# Altium PCB MCU063B_PCB.PcbDoc (part 1 of 9) (continued)
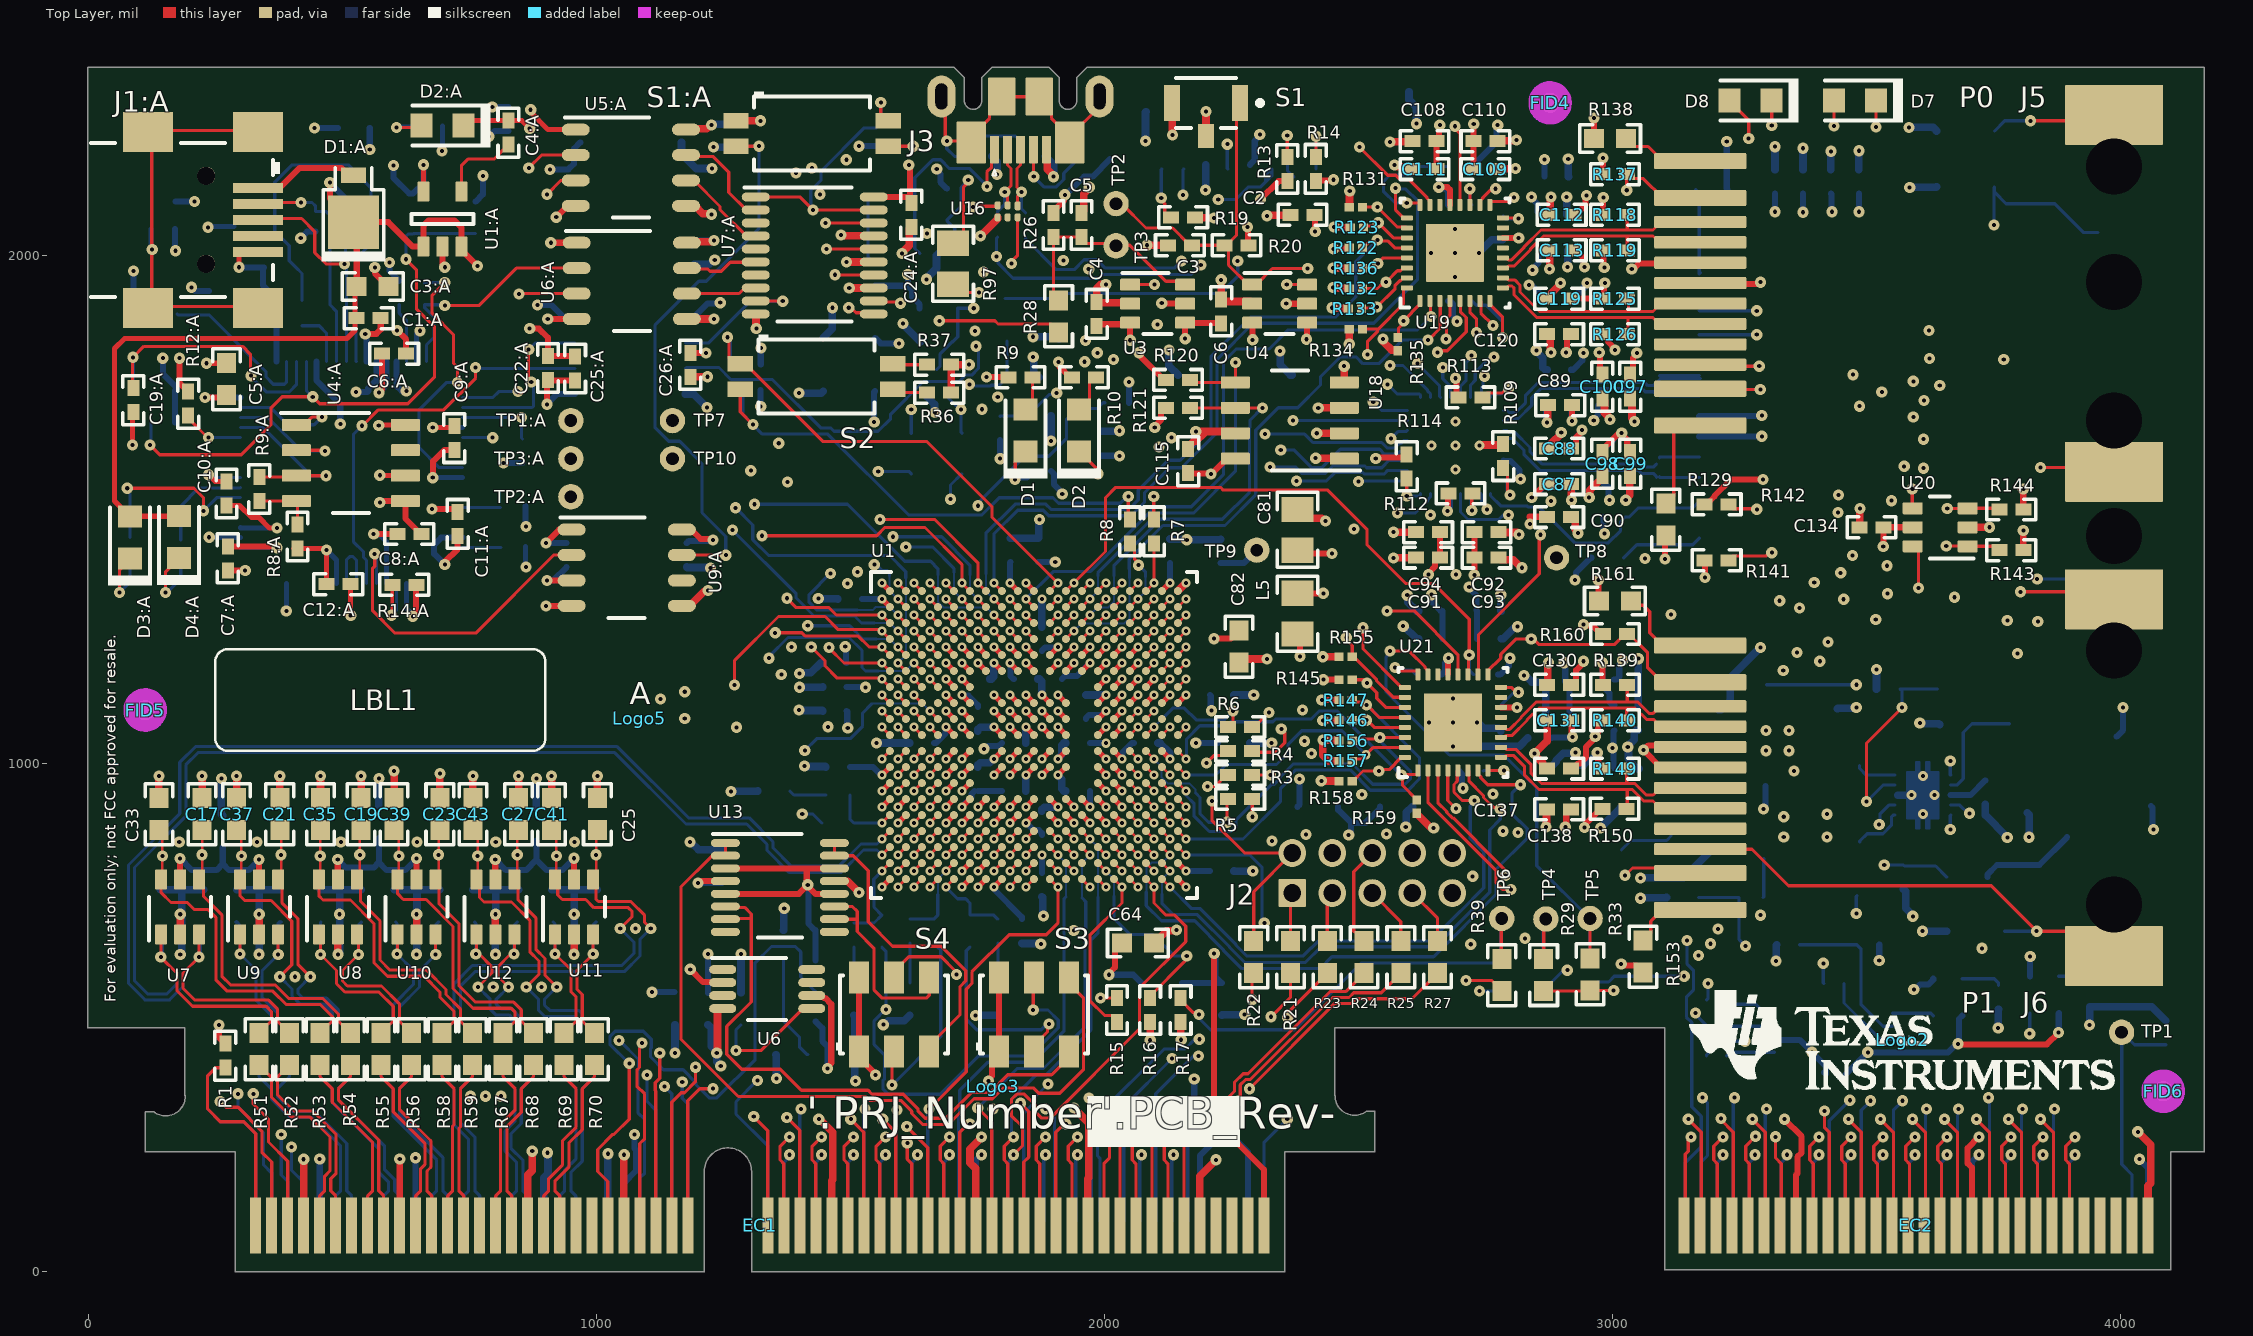
[diagram p0: Top Layer view]
## Components (designator, comment, footprint, x,y, rotation, side; value= is the part's Value field where it differs from the comment) (continued)
C54 "0402YC104KAT2A" 0402 1640.95,1040.35 r180 bottom value=0.1uF
C55 "0402YC104KAT2A" 0402 1963.78,1111.22 r90 bottom value=0.1uF
C56 "0402YC104KAT2A" 0402L 1877.17,882.87 r90 bottom value=0.1uF
C57 "0402YC104KAT2A" 0402 1948.03,945.86 r180 bottom value=0.1uF
C58 "0402YC104KAT2A" 0402 1798.43,1166.34 r180 bottom value=0.1uF
C59 "0402YC104KAT2A" 0402 1877.17,1245.08 r90 bottom value=0.1uF
C60 "0402YC104KAT2A" 0402 1948.03,1040.35 r180 bottom value=0.1uF
C61 "0402YC104KAT2A" 0402 1751.18,969.49 r90 bottom value=0.1uF
C62 "0402YC104KAT2A" 0402L 1822.05,945.86 r0 bottom value=0.1uF
C63 "C0603C225K8PACTU" 0603 2231.5,536.41 r90 bottom value=2.2uF
C64 "C0603C225K8PACTU" 0603 2066.14,646.65 r180 top value=2.2uF
C65 "0402YC104KAT2A" 0402 1475.59,993.11 r180 bottom value=0.1uF
C66 "0402YC104KAT2A" 0402 1837.8,670.27 r270 bottom value=0.1uF
C67 "0402YC104KAT2A" 0402 2231.5,788.38 r0 bottom value=0.1uF
C68 "0402YC104KAT2A" 0402 2081.89,1040.35 r0 bottom value=0.1uF
C69 "0402YC104KAT2A" 0402 1877.17,761.38 r270 bottom value=0.1uF
C70 "0402YC104KAT2A" 0402 1815.01,1420 r90 bottom value=0.1uF
C71 "0402YC104KAT2A" 0402 1499.21,1323.82 r180 bottom value=0.1uF
C72 "0402YC104KAT2A" 0402 2129.14,1418 r90 bottom value=0.1uF
C73 "0402YC104KAT2A" 0402 1751.18,1087.6 r270 bottom value=0.1uF
C74 "0402YC104KAT2A" 0402 1469.21,1197.83 r180 bottom value=0.1uF
C75 "0402YC104KAT2A" 0402 1892.92,1166.34 r180 bottom value=0.1uF
C76 "0402YC104KAT2A" 0402 1870.01,1420 r90 bottom value=0.1uF
C77 "0402YC104KAT2A" 0402 2231.5,1134.84 r0 bottom value=0.1uF
C78 "0402YC104KAT2A" 0402 1469.21,1150.59 r180 bottom value=0.1uF
C79 "0402YC104KAT2A" 0402 1822.05,1040.35 r0 bottom value=0.1uF
C80 "0402YC104KAT2A" 0402 1469.21,1103.34 r180 bottom value=0.1uF
C81 "C0805C106K8PACTU" 0805_HV 2380.01,1460 r270 top value=10uF
C82 "GRM188R61A106ME69D" 0603 2265,1230 r270 top value=10uF
C83 "C0603C475K9PACTU" 0603 1840.01,1760 r0 bottom value=4.7uF
C84 "293D104X9035A2TE3" 3216-18 1497.61,1837.8 r180 bottom value=0.1uF
C85 "TLJA686M010R1500" 3216-18 1497.61,1732.8 r180 bottom value=68uF
C86 "CGA2B2X7R1H332K050BA" 0402 1860,2195 r180 bottom value=3300pF
C87 "CL05A106MQ5NUNC" 0402 2895.01,1550 r0 top value=10uF
C88 "EMK105BJ105KVHF" 0402 2895.01,1620 r180 top value=1uF
C89 "LMK105BJ104KV-F" 0402 2897.21,1705.31 r180 top value=0.1uF
C90 "885012205031" 0402 2895.01,1485 r0 top value=0.01uF
C91 "885012205031" 0402 2637.21,1405.31 r180 top value=0.01uF
C92 "LMK105BJ104KV-F" 0402 2752.21,1455.31 r0 top value=0.1uF
C93 "EMK105BJ105KVHF" 0402 2752.21,1405.31 r0 top value=1uF
C94 "CL05A106MQ5NUNC" 0402 2637.21,1455.31 r180 top value=10uF
C95 "LMK105BJ104KV-F" 0402 2895.01,1620 r180 bottom value=0.1uF
C96 "EMK105BJ105KVHF" 0402 2896.39,1550 r0 bottom value=1uF
C97 "EMK105BJ105KVHF" 0402 3035.01,1741.65 r90 top value=1uF
C98 "LMK105BJ104KV-F" 0402 2980.01,1590 r90 top value=0.1uF
C99 "EMK105BJ105KVHF" 0402 3035.01,1590 r90 top value=1uF
C100 "LMK105BJ104KV-F" 0402 2980.01,1741.65 r90 top value=0.1uF
C101 "LMK105BJ104KV-F" 0402 2895.01,1775 r180 bottom value=0.1uF
C102 "EMK105BJ105KVHF" 0402 2895.01,1710 r180 bottom value=1uF
C103 "12061C472KAT2A" 1206 3695.01,2135 r0 bottom value=4700pF
C104 "CL05A106MQ5NUNC" 0402 2886.21,2080 r0 bottom value=10uF
C105 "EMK105BJ105KVHF" 0402 2888.2,2010 r0 bottom value=1uF
C106 "LMK105BJ104KV-F" 0402 2890.01,2155 r0 bottom value=0.1uF
C107 "885012205031" 0402 2895.01,1915 r0 bottom value=0.01uF
C108 "885012205031" 0402 2630.01,2225 r180 top value=0.01uF
C109 "LMK105BJ104KV-F" 0402 2750.01,2170 r0 top value=0.1uF
C110 "EMK105BJ105KVHF" 0402 2750.01,2225 r0 top value=1uF
C111 "CL05A106MQ5NUNC" 0402 2630.01,2170 r180 top value=10uF
C112 "LMK105BJ104KV-F" 0402 2900.01,2080 r180 top value=0.1uF
C113 "EMK105BJ105KVHF" 0402 2900.01,2010 r180 top value=1uF
C114 "EMK105BJ105KVHF" 0402 3320.01,2145 r270 bottom value=1uF
C115 "CL05B104KP5NNNC" 0402 2165.01,1595 r90 top value=0.1uF
C116 "LMK105BJ104KV-F" 0402 3375.01,2145 r270 bottom value=0.1uF
C117 "EMK105BJ105KVHF" 0402 3430.01,2145 r270 bottom value=1uF
C118 "LMK105BJ104KV-F" 0402 3485.01,2145 r270 bottom value=0.1uF
C119 "LMK105BJ104KV-F" 0402 2895.01,1915 r180 top value=0.1uF
C120 "EMK105BJ105KVHF" 0402 2895.01,1845 r180 top value=1uF
C121 "12061C472KAT2A" 1206 3695.01,2245 r0 bottom value=4700pF
C122 "CL05A106MQ5NUNC" 0402 2895.21,989.31 r180 bottom value=10uF
C123 "EMK105BJ105KVHF" 0402 2857.21,1050.31 r180 bottom value=1uF
C124 "LMK105BJ104KV-F" 0402 2892.21,1100.31 r180 bottom value=0.1uF
C125 "885012205031" 0402 2892.21,1155.31 r180 bottom value=0.01uF
C126 "885012205031" 0402 2642.21,1300.31 r180 bottom value=0.01uF
C127 "LMK105BJ104KV-F" 0402 2757.21,1300.31 r0 bottom value=0.1uF
C128 "EMK105BJ105KVHF" 0402 2757.21,1245.31 r0 bottom value=1uF
C129 "CL05A106MQ5NUNC" 0402 2642.21,1245.31 r180 bottom value=10uF
C130 "LMK105BJ104KV-F" 0402 2895.01,1155 r180 top value=0.1uF
C131 "EMK105BJ105KVHF" 0402 2895.01,1085 r180 top value=1uF
C132 "EMK105BJ105KVHF" 0402 3027.21,1115.31 r180 bottom value=1uF
C133 "LMK105BJ104KV-F" 0402 3027.21,1065.31 r180 bottom value=0.1uF
C134 "CL05B104KP5NNNC" 0402 3510.01,1465 r180 top value=0.1uF
C135 "EMK105BJ105KVHF" 0402 3028.63,990 r180 bottom value=1uF
C136 "LMK105BJ104KV-F" 0402 3027.21,1165.31 r180 bottom value=0.1uF
C137 "LMK105BJ104KV-F" 0402 2895.01,990 r180 top value=0.1uF
C138 "EMK105BJ105KVHF" 0402 2895.01,910 r180 top value=1uF
C139 "12061C472KAT2A" 1206 3715.01,670 r0 bottom value=4700pF
D1 "150080SS75000" WL-SMCW_RED_0805 1845.01,1655 r90 top value=Red
D1:A "MBRM110ET1G" POWERMITE 522.16,2111.61 r90 top value=10V
D2 "150080SS75000" WL-SMCW_RED_0805 1950.01,1655 r90 top value=Red
D2:A "150080VS75000" WL-SMCW_Green_0805 697.54,2255.33 r180 top value="Bright Green"
D3 "MBRM110ET1G" POWERMITE 4013.71,916.38 r0 bottom value=10V
D3:A "150080BS75000" WL-SMCW_Blue_0805 82.16,1445.23 r90 top value=Blue
D4 "CFSH05-20L TR" SOD-882L 3301.11,971.38 r90 bottom value=20V
D4:A "150080BS75000" WL-SMCW_Blue_0805 178.95,1445.4 r90 top value=Blue
D5 "150080VS75000" WL-SMCW_Green_0805 3017.92,871.38 r270 bottom value="Bright Green"
D6 "MBRM110ET1G" POWERMITE 1581,2117 r0 bottom value=10V
D7 "150080SS75000" WL-SMCW_RED_0805 3477.21,2305.31 r180 top value=Red
D8 "150080VS75000" WL-SMCW_Green_0805 3272.21,2305.31 r180 top value="Bright Green"
EC1 "controlCARD-120HSEC_Edge" controlCARD-120HSEC_Edge 1258.86,-3.49 r0 top locked
EC2 "controlCARD-180HSEC-60pinAddon_Edge" controlCARD-180HSEC-60pinAddon_Edge 3597.35,-3.49 r0 top locked
FID1 "Fiducial" Fiducial10-20 112.21,1105.31 r180 bottom
FID2 "Fiducial" Fiducial10-20 2877.21,2300.31 r180 bottom
FID3 "Fiducial" Fiducial10-20 4084,355 r180 bottom
FID4 "Fiducial" Fiducial10-20 2877.21,2300.31 r90 top
FID5 "Fiducial" Fiducial10-20 112.21,1105.31 r90 top
FID6 "Fiducial" Fiducial10-20 4084,355 r90 top
J1 "2908-05WB-MG" 3M_2908-05WB-MG 2416.26,2170.31 r180 bottom
J1:A "65100516121" Wurth_65100516121 0.01,2070 r270 top
J2 "TMM-105-01-T-D" FP-TMM-105-01-T-D_HDR10-MFG 2527.36,784.47 r0 top
J3 "1051640001" Molex_1051640001 1835,2370 r180 top
J4 "7498010210A" Wurth_7498010210A 3987.4,1697.72 r0 bottom
J5 "7498010210A" Wurth_7498010210A 3987.4,1925.4 r0 top
J6 "7498010210A" Wurth_7498010210A 3987.4,972.12 r0 top
L1 "PFL3215-222MEB" PFL3215 3432.92,846.11 r180 bottom value=2.2uH
L1:A "HZ0805E601R-10" 0805_HV 639.53,2082.06 r90 bottom value="600 ohm"
L2 "78438323033" WE-MAIA_2510 3447.92,996.16 r180 bottom value=3.3uH
L2:A "HZ0805E601R-10" 0805_HV 327.16,2056.61 r180 bottom value="600 ohm"
L3 "BKP2125HS600-T" 0805_HV 2420.01,915 r180 bottom value="60 ohm"
L4 "BKP2125HS600-T" 0805_HV 2113.39,567.91 r180 bottom value="60 ohm"
L5 "BLM21PG221SN1D" 0805_HV 2380.01,1295 r270 top value="220 ohm"
LBL1 "THT-14-423-10" Label_650x200 575,1125 r0 top
Logo1 "CE Mark" CE_Mark_5mm 469.21,1152.31 r180 bottom
Logo2 "Texas Instruments" TI_Stacked_Overlay_Small 3570,456 r0 top
Logo3 "FCC disclaimer" FCC_disclaimer 1780.01,365 r0 top
Logo4 "WEEE logo" WEEE_Minimum 763.21,1193.31 r180 bottom
Logo5 "ETHERCAT LABEL" EtherCAT_label 1084.2,1089.5 r0 top
Q1 "NTA7002NT1G" SOT-416 1670,1749 r90 bottom value=30V
R1 "CRCW04024K70JNED" 0402 270.01,425 r90 top value=4.7k
R1:A "CRCW0402680RJNED" 0402 673.43,2254.68 r180 bottom value=680
R2 "CRCW04024K70JNED" 0402 270.01,425 r270 bottom value=4.7k
R2:A "CRCW040210K0JNED" 0402 855,1615 r270 bottom value=10k
R3 "CRCW040239R0JNED" 0402 2267.25,977.36 r180 top value=39
R3:A "CRCW04020000Z0ED" 0402 661.96,1921.77 r90 bottom value=0
R4 "CRCW040239R0JNED" 0402 2267.25,1024.6 r180 top value=39
R4:A "CRCW040210K0JNED" 0402 836.96,1506.77 r0 bottom value=10k
R5 "CRCW040239R0JNED" 0402 2267.25,930.12 r180 top value=39
R5:A "CRCW04021K00JNED" 0402 837.16,1426.61 r0 bottom value=1.0k
R6 "CRCW040239R0JNED" 0402 2267.25,1071.85 r180 top value=39
R6:A "CRCW04021K00JNED" 0402 82.16,1421.61 r270 bottom value=1.0k
R7 "CRCW040239R0JNED" 0402 2097.64,1456.93 r270 top value=39
R7:A "CRCW04021K00JNED" 0402 182.16,1416.61 r270 bottom value=1.0k
R8 "CRCW040239R0JNED" 0402 2050.4,1456.93 r270 top value=39
R8:A "CRCW040210K0JNED" 0402 411.96,1446.77 r90 top value=10k
R9 "CRCW0402680RJNED" 0402 1835.01,1760 r0 top value=680
R9:A "CRCW04022K20JNED" 0402 336.95,1540.41 r90 top value=2.2k
R10 "CRCW0402680RJNED" 0402 1960.01,1760 r0 top value=680
R10:A "CRCW04021K00JNED" 0402 612.16,1926.61 r270 bottom value=1.0k
R11 "CRCW04021M50JNED" 0402 1795.01,1660 r270 bottom value=1.5Meg
R11:A "CRCW04020000Z0ED" 0402 147.16,2051.61 r0 bottom value=0
R12 "CRCW04021M50JNED" 0402 2025.01,1710 r0 bottom value=1.5Meg
R12:A "CRCW04020000Z0ED" 0402 196.96,1708.15 r270 top value=0
R13 "RC0402FR-0710KL" 0402 2360.01,2170 r270 top value=10.0k
R13:A "CRCW040212K0JNED" 0402 397.16,1861.61 r0 bottom value=12k
R14 "RC0402FR-0710KL" 0402 2416.26,2170.31 r270 top value=10.0k
R14:A "CRCW04020000Z0ED" 0402 622.16,1351.61 r180 top value=0
R15 "CRCW040239R0JNED" 0402 2025.01,515 r270 top value=39
R15:A "CRCW040210K0JNED" 0402 1560.01,2240 r270 bottom value=10k
R16 "CRCW04022K20JNED" 0402 2090.01,515 r90 top value=2.2k
R17 "CRCW04022K20JNED" 0402 2150.01,515 r90 top value=2.2k
R18 "RC0402FR-0710KL" 0402 4089,470 r270 bottom value=10.0k
R19 "RC0402FR-0710KL" 0402 2155.01,2075 r180 top value=10.0k
R20 "CRCW04022K20JNED" 0402 2260.01,2020 r0 top value=2.2k
R21 "CRCW06030000Z0EA" 0603 2366.33,618.9 r270 top value=0
R22 "CRCW06030000Z0EA" 0603 2294,618.9 r90 top value=0
R23 "CRCW06030000Z0EA" 0603 2438.72,618.9 r270 top value=0
R24 "CRCW06030000Z0EA" 0603 2511.19,618.9 r90 top value=0
R25 "CRCW06030000Z0EA" 0603 2583.51,618.9 r270 top value=0
R26 "CRCW04022K20JNED" 0402 1900.01,2060 r90 top value=2.2k
R27 "CRCW06030000Z0EA" 0603 2655.91,618.9 r270 top value=0
R28 "CRCW06030000Z0EA" 0603 1910.01,1880 r270 top value=0
R29 "CRCW06030000Z0EA" 0603 2864.71,583.7 r90 top value=0
R30 "CRCW06030000Z0EA" 0603 2863.71,583.7 r270 bottom value=0
R31 "CRCW040256K0JNED" 0402 1300.01,1735 r180 bottom value=56k
R32 "CRCW040256K0JNED" 0402 1300.01,1785 r0 bottom value=56k
R33 "CRCW06030000Z0EA" 0603 2956.01,585 r90 top value=0
R34 "CRCW06030000Z0EA" 0603 2955.01,585 r270 bottom value=0
R35 "CPF0402B10RE1" CPF0402 3436.1,569.8 r180 bottom value=10.0
R36 "CRCW04022K20JNED" 0402 1675.01,1730 r0 top value=2.2k
R37 "CRCW04022K20JNED" 0402 1675.01,1785 r180 top value=2.2k
R38 "CPF0402B10RE1" CPF0402 3205.32,535 r180 bottom value=10.0
R39 "CRCW06030000Z0EA" 0603 2782.31,583.35 r90 top value=0
R40 "CPF0402B10RE1" CPF0402 3205.01,425 r180 bottom value=10.0
R41 "CRCW04020000Z0EDHP" 0402 3760.01,540 r270 bottom value=0
R42 "CPF0402B10RE1" CPF0402 3205.01,481.57 r180 bottom value=10.0
R43 "CRCW06030000Z0EA" 0603 2781.31,583.35 r270 bottom value=0
R44 "CRCW04020000Z0EDHP" 0402 3501.71,643.5 r180 bottom value=0
R45 "CRCW04020000Z0EDHP" 0402 3940.01,545 r270 bottom value=0
R46 "CRCW04020000Z0EDHP" 0402 3346.71,643.5 r180 bottom value=0
R47 "CRCW06030000Z0EA" 0603 1399.92,552.12 r180 bottom value=0
R48 "CRCW06030000Z0EA" 0603 1399.92,492.12 r0 bottom value=0
R49 "RC0603FR-071KL" 0603 1399.92,612.12 r0 bottom value=1.00k
R50 "CRCW06030000Z0EA" 0603 1562.21,670.27 r90 bottom value=0
R51 "CRCW06030000Z0EA" 0603 336.42,437.87 r270 top value=0
R52 "CRCW06030000Z0EA" 0603 396.42,437.87 r270 top value=0
R53 "CRCW06030000Z0EA" 0603 456.42,437.87 r270 top value=0
R54 "CRCW06030000Z0EA" 0603 516.42,437.87 r270 top value=0
R55 "CRCW06030000Z0EA" 0603 576.42,437.87 r270 top value=0
R56 "CRCW06030000Z0EA" 0603 636.42,437.87 r270 top value=0
R57 "CRCW06030000Z0EA" 0603 1735.44,670.27 r90 bottom value=0
R58 "CRCW06030000Z0EA" 0603 696.42,437.87 r270 top value=0
R59 "CRCW06030000Z0EA" 0603 756.42,437.87 r270 top value=0
R60 "CRCW06030000Z0EA" 0603 336.42,437.87 r270 bottom value=0
R61 "CRCW06030000Z0EA" 0603 396.42,437.87 r270 bottom value=0
R62 "CRCW06030000Z0EA" 0603 456.42,437.87 r270 bottom value=0
R63 "CRCW06030000Z0EA" 0603 516.42,437.87 r270 bottom value=0
R64 "CRCW06030000Z0EA" 0603 576.42,437.87 r270 bottom value=0
R65 "CRCW06030000Z0EA" 0603 636.42,437.87 r270 bottom value=0
R66 "CRCW06030000Z0EA" 0603 1475.59,882.87 r0 bottom value=0
R67 "CRCW06030000Z0EA" 0603 816.42,437.87 r270 top value=0
R68 "CRCW06030000Z0EA" 0603 876.42,437.87 r270 top value=0
R69 "CRCW06030000Z0EA" 0603 936.42,437.87 r270 top value=0
R70 "CRCW06030000Z0EA" 0603 996.42,437.87 r270 top value=0
R71 "CRCW06030000Z0EA" 0603 1672.44,670.27 r90 bottom value=0
R72 "CRCW06030000Z0EA" 0603 696.42,437.87 r270 bottom value=0
R73 "CRCW06030000Z0EA" 0603 756.42,437.87 r270 bottom value=0
R74 "CRCW06030000Z0EA" 0603 816.42,437.87 r270 bottom value=0
R75 "CRCW06030000Z0EA" 0603 876.42,437.87 r270 bottom value=0
R76 "CRCW06030000Z0EA" 0603 936.42,437.87 r270 bottom value=0
R77 "ERJ2BWFR100X" 0402 1507.09,662.4 r270 bottom value=0.1
R78 "ERJ2BWFR100X" 0402 1790.55,670.27 r270 bottom value=0.1
R79 "ERJ2BWFR100X" 0402 1475.59,937.99 r180 bottom value=0.1
R80 "ERJ2BWFR100X" 0402 1617.33,670.27 r270 bottom value=0.1
R81 "CRCW06030000Z0EA" 0603 996.42,437.87 r270 bottom value=0
R82 "MCR10EZPJ000" 0805_HV 3952.17,1052.9 r0 bottom value=0
R83 "CRCW04020000Z0ED" 0402 3457.92,740.13 r0 bottom value=0
R84 "CRCW040222K0JNED" 0402 3663.39,1146.38 r0 bottom value=22k
R85 "MCR10EZPJ000" 0805_HV 3697.92,776.38 r180 bottom value=0
R86 "CRCW0402340KFKED" 0402 3297.92,836.38 r90 bottom value=340k
R87 "CRCW0402680RJNED" 0402 3115.24,881.38 r90 bottom value=680
R88 "ERJ-2RKF2001X" 0402 3272.92,736.38 r0 bottom value=2.00k
R89 "CRCW0402205KFKED" 0402 3372.92,1131.38 r270 bottom value=205k
R90 "CRCW040210K0JNED" 0402 3805.32,1078.17 r0 bottom value=10k
R91 "CRCW0603100KJNEA" 0603 3675.37,1076.71 r0 bottom value=100k
R92 "ERJ-2RKF2003X" 0402 3442.92,1131.38 r90 bottom value=200k
R93 "RT0603DRE0775KL" 0603 3137.92,736.38 r0 bottom value=75.0k
R94 "CRCW040256R0JNED" 0402 2229,1418 r270 bottom value=56
R95 "CRCW04020000Z0ED" 0402 1790.01,2060 r90 bottom value=0
R96 "CRCW04020000Z0ED" 0402 1845.01,2060 r90 bottom value=0
R97 "ERJ-6GEYJ103V" 0805_HV 1702.51,1983.66 r90 top value=10k
R98 "ERJ-6GEYJ103V" 0805_HV 1805.01,1875 r270 bottom value=10k
R99 "ERJ-6GEYJ103V" 0805_HV 1620.01,1610 r90 bottom value=10k
R100 "ERJ-6GEYJ103V" 0805_HV 1910.01,1875 r90 bottom value=10k
R101 "ERJ-6GEYJ103V" 0805_HV 1720.01,1610 r90 bottom value=10k
R102 "CRCW04020000Z0ED" 0402 1546.15,1961.61 r90 bottom value=0
R103 "ERJ-3GEYJ104V" 0603 1690.01,2100 r270 bottom value=100k
R104 "ERJ-3GEYJ104V" 0603 1980,2190 r180 bottom value=100k
R105 "ERJ-3GEYJ104V" 0603 1670.01,1830 r180 bottom value=100k
R106 "CRCW04020000Z0ED" 0402 1755,2195 r0 bottom value=0
R107 "RC0402FR-0749R9L" 0402 3006.39,1550 r180 bottom value=49.9
R108 "RC0402FR-0749R9L" 0402 3005.01,1620 r180 bottom value=49.9
R109 "CRCW04024K87FKED" 0402 2785.01,1605 r90 top value=4.87k
R110 "RC0402FR-0749R9L" 0402 3005.01,1710 r180 bottom value=49.9
R111 "RC0402FR-0749R9L" 0402 3006.39,1775 r180 bottom value=49.9
R112 "CRCW04022K20JNED" 0402 2700.92,1531.57 r0 top value=2.2k
R113 "RC0402FR-0710KL" 0402 2720.6,1720.55 r180 top value=10.0k
R114 "CRCW04022K49FKED" 0402 2595.01,1585 r90 top value=2.49k
R115 "CRCW04022K20JNED" 0402 3005.01,1485 r180 bottom value=2.2k
R116 "CRCW0603470RJNEA" 0603 3195.01,2130 r180 bottom value=470
R117 "CRCW0603470RJNEA" 0603 2990.01,1405 r0 bottom value=470
R118 "RC0402FR-0749R9L" 0402 3005.01,2080 r180 top value=49.9
R119 "RC0402FR-0749R9L" 0402 3005.01,2010 r180 top locked value=49.9
R120 "CRCW04024K70JNED" 0402 2145.01,1755 r180 top value=4.7k
R121 "CRCW04024K70JNED" 0402 2145.01,1700 r180 top value=4.7k
R122 "CRCW02012K20JNED" 0201 2495.01,2015 r180 top value=2.2k
R123 "CRCW02012K20JNED" 0201 2497.02,2055 r180 top value=2.2k
R124 "CRCW04024K87FKED" 0402 2784.5,2054.21 r270 bottom value=4.87k
R125 "RC0402FR-0749R9L" 0402 3005.01,1915 r180 top value=49.9
R126 "RC0402FR-0749R9L" 0402 3005.01,1845 r180 top value=49.9
R127 "CRCW04022K20JNED" 0402 2699.85,2099.49 r0 bottom value=2.2k
R128 "RC0402FR-0710KL" 0402 2699.85,1910.51 r180 bottom value=10.0k
R129 "CRCW0603470RJNEA" 0603 3105.01,1480 r90 top value=470
R130 "CRCW04022K49FKED" 0402 2697.21,2175.31 r180 bottom value=2.49k
R131 "CRCW02012K20JNED" 0201 2495.01,2095 r0 top value=2.2k
R132 "CRCW02012K20JNED" 0201 2495.01,1935 r0 top value=2.2k
R133 "CRCW02012K20JNED" 0201 2493,1895 r0 top value=2.2k
R134 "CRCW02012K20JNED" 0201 2495.01,1855 r0 top value=2.2k
R135 "CRCW02012K20JNED" 0201 2577.21,1825.31 r90 top value=2.2k
R136 "CRCW02012K20JNED" 0201 2495.01,1975 r0 top value=2.2k
R137 "CRCW04022K20JNED" 0402 3005.01,2160 r180 top value=2.2k
R138 "CRCW0603470RJNEA" 0603 2995.31,2230 r0 top value=470
R139 "RC0402FR-0749R9L" 0402 3005.01,1155 r180 top value=49.9
R140 "RC0402FR-0749R9L" 0402 3005.01,1085 r180 top value=49.9
R141 "CRCW04021K27FKED" 0402 3205.01,1400 r180 top value=1.27k
R142 "CRCW0402680RJNED" 0402 3205.01,1510 r0 top value=680
R143 "CRCW04021M50JNED" 0402 3785.01,1420 r0 top value=1.5Meg
R144 "CRCW04021M50JNED" 0402 3785.01,1500 r0 top value=1.5Meg
R145 "CRCW02012K20JNED" 0201 2475.01,1165 r180 top value=2.2k
R146 "CRCW02012K20JNED" 0201 2475.01,1085 r180 top value=2.2k
R147 "CRCW02012K20JNED" 0201 2475.01,1125 r180 top value=2.2k
R148 "CRCW04024K87FKED" 0402 2780.56,1086.97 r270 bottom value=4.87k
R149 "RC0402FR-0749R9L" 0402 3005.01,990 r180 top value=49.9
R150 "RC0402FR-0749R9L" 0402 3004.14,910.75 r180 top value=49.9
R151 "RC0402FR-0710KL" 0402 2721.39,985 r180 bottom value=10.0k
R152 "CRCW04022K20JNED" 0402 2751.39,1175 r180 bottom value=2.2k
R153 "CRCW0603470RJNEA" 0603 3060.01,620 r90 top value=470
R154 "CRCW04022K49FKED" 0402 2636.86,1175.55 r180 bottom value=2.49k
R155 "CRCW02012K20JNED" 0201 2475.01,1210 r0 top value=2.2k
R156 "CRCW02012K20JNED" 0201 2475.01,1045 r0 top value=2.2k
R157 "CRCW02012K20JNED" 0201 2475.01,1005 r0 top value=2.2k
R158 "CRCW02012K20JNED" 0201 2475.01,965 r0 top value=2.2k
R159 "CRCW02012K20JNED" 0201 2615.01,915 r90 top value=2.2k
R160 "CRCW04022K20JNED" 0402 3005.01,1255 r180 top value=2.2k
R161 "CRCW0603470RJNEA" 0603 3005.01,1320 r0 top value=470
S1 "B3U-1100P" SW_B3U-1100P 2200.01,2300 r180 top
S1:A "218-2LPST" SW_218-2LP 1425.01,2240 r0 top
S2 "218-2LPST" SW_218-2LP 1433.36,1761.81 r0 top
S3 "CAS-D20TA" SW_CAS-D20TA 1861.42,506.1 r90 top
S4 "CAS-D20TA" SW_CAS-D20TA 1586.42,506.1 r90 top
TP1 "TESTPOINT" TP_50MIL-25MILHOLE 4002,471 r90 top
TP1:A "TESTPOINT" TP_50MIL-25MILHOLE 950.01,1675 r90 top
TP2 "TESTPOINT" TP_50MIL-25MILHOLE 2023,2102 r180 top
TP2:A "TESTPOINT" TP_50MIL-25MILHOLE 950.01,1525 r90 top
TP3 "TESTPOINT" TP_50MIL-25MILHOLE 2023,2019 r180 top
TP3:A "TESTPOINT" TP_50MIL-25MILHOLE 950.01,1600 r90 top
TP4 "TESTPOINT" TP_50MIL-25MILHOLE 2869,694 r90 top
TP5 "TESTPOINT" TP_50MIL-25MILHOLE 2956,695 r90 top
TP6 "TESTPOINT" TP_50MIL-25MILHOLE 2782,695 r90 top
TP7 "TESTPOINT" TP_50MIL-25MILHOLE 1150.01,1675 r0 top
TP8 "TESTPOINT" TP_50MIL-25MILHOLE 2890.01,1405 r90 top
TP9 "TESTPOINT" TP_50MIL-25MILHOLE 2300.01,1420 r90 top
TP10 "TESTPOINT" TP_50MIL-25MILHOLE 1150.01,1600 r90 top
U1 "TMS320F28388DZWTS" ZWT0337A 1861.42,1056.1 r0 top locked
U1:A "TPS73033DBVR" DBV0005A_N 697.16,2071.61 r90 top
U2 "SN74LVC2G07DBVR" DBV0006A_N 1895.01,1630 r270 bottom
U2:A "FT2232HL-REEL" LQFP64_N 518.18,1572.63 r270 bottom
U3 "TPS3702CX33DDCT" DDC0006A_N 2105.01,1905 r0 top
U3:A "TPD2E001DRLR" DRL0005A 477.16,2066.61 r180 bottom
U4 "TPS3702CX12DDCT" DDC0006A_N 2345.01,1905 r0 top
U4:A "93LC56C-I/SN" SOIC-8 517.16,1591.61 r0 top
U5 "CDCLVC1104PW" PW0008A_N 3435.01,470 r180 bottom
U5:A "ISO7220CD" D0008B_N 1068.18,2172.63 r0 top
U6 "REF5030IDGKT" DGK0008A_N 1336.42,556.1 r0 top
U6:A "ISO7220CD" D0008B_N 1070.01,1950 r0 top
U7 "TPD4E001QDBVRQ1" DBV0006A_N 181.02,717.87 r90 top
U7:A "SN74ALVC244PWR" PW0020A_N 1430.01,2000 r0 top
U8 "TPD4E001QDBVRQ1" DBV0006A_N 491.42,717.87 r90 top
U8:A "ISO7220CD" D0008B_N 1066.84,1802.37 r180 bottom
U9 "TPD4E001QDBVRQ1" DBV0006A_N 336.42,717.87 r90 top
U9:A "ISO7220CD" D0008B_N 1060.01,1385.32 r0 top
U10 "TPD4E001QDBVRQ1" DBV0006A_N 646.42,717.87 r90 top
U11 "TPD4E001QDBVRQ1" DBV0006A_N 956.42,717.87 r90 top
U12 "TPD4E001QDBVRQ1" DBV0006A_N 801.42,717.87 r90 top
U13 "OPA4350EA/250" DBQ0016A_N 1361.42,756.1 r0 top
U14 "TPS62420DRCR" DRC0010J 3610.82,937.77 r180 bottom
U15 "TPS2051BDBVR" DBV0005A_N 1673.97,1950 r270 bottom
U16 "TPD4S012DRYR" DRY0006A 1809.69,2086.81 r270 top
U17 "DP83822IRHBR" RHB0032B#1 2691.07,1626.06 r270 bottom
U18 "CAT24C16WI-GT3" SOIC-8 2365.01,1675 r180 top
U19 "DP83822IRHBR" RHB0032B#2 2690.01,2005 r90 top
U20 "SN74LVC2G06DBVR" DBV0006A_N 3645.01,1465 r180 top
U21 "DP83822IRHBR" RHB0032B#2 2686.07,1081.06 r90 top
Y1 "ECS-2520S33-250-FN-TR" ECS_ECS-2520S 3660.01,540 r180 bottom
Y1:A "ECS-120-20-30B-TR" ECS_ECX-53B 132.16,1811.61 r180 bottom
Y2 "ECS-2520S33-200-FN-TR" ECS_ECS-2520S 3850.01,545 r180 bottom
ZZ1 "This Assembly Note is for PCB labels only" AssemblyNoteLabel -2880.86,2910.71 r0 top
ZZ2 "These assemblies are ESD sensitive, ESD precautions shall be observed." AssemblyNote -2880.86,2801.83 r0 top
ZZ3 "These assemblies must be clean and free from flux and all contaminants. Use of no clean flux is not acceptable." AssemblyNote -2880.86,2713.27 r0 top
ZZ4 "These assemblies must comply with workmanship standards IPC-A-610 Class 2, unless otherwise specified." AssemblyNote -2880.86,2624.71 r0 top

## Footprints (in the part's own frame and the unit in brackets; to place one, negate y for a bottom-side part, rotate by r counter-clockwise, add the part's x,y. Pads: shape width x height; smd on the part's side, far side on the other; paste and mask are expansions set on the pad)
3M_2908-05WB-MG [mm] "Connector, Micro SD, R/A, SMD"
  rect 0.8x1.5 smd: 1(0,0) 2(1.1,-0.4) 3(2.2,0) 4(3.3,0.2) 5(4.4,0) 6(5.5,0.2) 7(6.6,0) 8(7.7,0)
  rect 1.4x1.9 smd: S1(-4.66,3.85) S2(8.49,2.85)
  rect 1.8x1.4 smd: S3(6.89,-10.3) S4(1.19,-10.3)
  silkscreen extent -5.06,-10.7 8.94,4.45, body extent -5.06,-10.75 8.94,4.5, height 1.91
0201 [mm] "Data from Kemet datasheet CC101_COM dated 7/28/11"
  rect 0.46x0.42 smd mask+0.048: 1(-0.33,0) 2(0.33,0)
  body extent -0.31,-0.16 0.31,0.16, height 0.26
0402 [mm] "0402 from SM-752 data"
  rect 0.8x0.6 smd: 1(-0.6,0) 2(0.6,0)
  silkscreen extent -1.22,-0.52 1.22,0.52, body extent -0.55,-0.3 0.55,0.3, height 0.6
0402L [mm] "0402 from SM-752 data"
  rect 0.6x0.5 smd: 1(-0.5,0) 2(0.5,0)
  body extent -0.55,-0.3 0.55,0.3, height 0.6
0603 [mm] "0603 from SM-752 data"
  rect 1x0.95 smd: 1(-0.8,0) 2(0.8,0)
  silkscreen extent -1.52,-0.69 1.52,0.69, body extent -0.87,-0.47 0.87,0.47, height 1
0805_HV [mil] "0805 with 30mil clearance between pads"
  rect 50x63 smd: 1(-40,0) 2(40,0)
  silkscreen extent -74,-40 74,40, body extent -43,-29 43,29, height 57
1206 [mm] "1206 from SM-752 data"
  rect 1.3x1.85 smd: 1(-1.45,0) 2(1.45,0)
  silkscreen extent -2.4,-1.21 2.4,1.21, body extent -1.7,-0.9 1.7,0.9, height 1.35
1812_180 [mm] "SMT, 2-Leads, Body 4.5x3.2mm"
  rect 1.85x4.36 smd: 1(-2.53,0) 2(2.53,0)
  silkscreen extent -3.75,-2.48 3.75,2.48, body extent -2.43,-1.75 2.42,1.75, height 1.8
3216-18 [mm] "Based on AVX recommendation in http://www.avx.com/download/software/literature/AVX-Footprint-Library.pdf"
  rrect7% 1.4x1.8 smd: 1(-1.3,0) 2(1.3,0)
  silkscreen extent -1.9,-1.12 0.8,1.12, body extent -1.7,-0.9 1.7,0.9, height 1.82
AssemblyNote [mil] "Assembly Note"
AssemblyNoteLabel [mil] "Assembly Note for PCB Labels"
CE_Mark_5mm [mil] "Minimum text height for CE Mark"
  silkscreen extent -138,-98 138,98
controlCARD-120HSEC_Edge [mm] "Edge Connector, 0.8mm, 60x2, pad numbers do not match Samtec datasheet"
  rect 0.55x2.8 smd paste-2.5 mask+0: 1(-23.6,2.4) 3(-22.8,2.4) 5(-22,2.4) 7(-21.2,2.4) 9(-20.4,2.4) 11(-19.6,2.4) 13(-18.8,2.4) 15(-18,2.4) 17(-17.2,2.4) 19(-16.4,2.4) 21(-15.6,2.4) 23(-14.8,2.4) 25(-14,2.4) 27(-13.2,2.4) 29(-12.4,2.4) 31(-11.6,2.4) 33(-10.8,2.4) 35(-10,2.4) 37(-9.2,2.4) 39(-8.4,2.4) 41(-7.6,2.4) 43(-6.8,2.4) 45(-6,2.4) 47(-5.2,2.4) 49(-4.4,2.4) 51(-3.6,2.4) 53(-2.8,2.4) 55(-2,2.4) 57(2,2.4) 59(2.8,2.4) 61(3.6,2.4) 63(4.4,2.4) 65(5.2,2.4) 67(6,2.4) 69(6.8,2.4) 71(7.6,2.4) 73(8.4,2.4) 75(9.2,2.4) 77(10,2.4) 79(10.8,2.4) 81(11.6,2.4) 83(12.4,2.4) 85(13.2,2.4) 87(14,2.4) 89(14.8,2.4) 91(15.6,2.4) 93(16.4,2.4) 95(17.2,2.4) 97(18,2.4) 99(18.8,2.4) 101(19.6,2.4) 103(20.4,2.4) 105(21.2,2.4) 107(22,2.4) 109(22.8,2.4) 111(23.6,2.4) 113(24.4,2.4) 115(25.2,2.4) 117(26,2.4) 119(26.8,2.4)
  rect 0.55x2.8 smd far side paste-2.5 mask+0: 2(-23.6,2.4) 4(-22.8,2.4) 6(-22,2.4) 8(-21.2,2.4) 10(-20.4,2.4) 12(-19.6,2.4) 14(-18.8,2.4) 16(-18,2.4) 18(-17.2,2.4) 20(-16.4,2.4) 22(-15.6,2.4) 24(-14.8,2.4) 26(-14,2.4) 28(-13.2,2.4) 30(-12.4,2.4) 32(-11.6,2.4) 34(-10.8,2.4) 36(-10,2.4) 38(-9.2,2.4) 40(-8.4,2.4) 42(-7.6,2.4) 44(-6.8,2.4) 46(-6,2.4) 48(-5.2,2.4) 50(-4.4,2.4) 52(-3.6,2.4) 54(-2.8,2.4) 56(-2,2.4) 58(2,2.4) 60(2.8,2.4) 62(3.6,2.4) 64(4.4,2.4) 66(5.2,2.4) 68(6,2.4) 70(6.8,2.4) 72(7.6,2.4) 74(8.4,2.4) 76(9.2,2.4) 78(10,2.4) 80(10.8,2.4) 82(11.6,2.4) 84(12.4,2.4) 86(13.2,2.4) 88(14,2.4) 90(14.8,2.4) 92(15.6,2.4) 94(16.4,2.4) 96(17.2,2.4) 98(18,2.4) 100(18.8,2.4) 102(19.6,2.4) 104(20.4,2.4) 106(21.2,2.4) 108(22,2.4) 110(22.8,2.4) 112(23.6,2.4) 114(24.4,2.4) 116(25.2,2.4) 118(26,2.4) 120(26.8,2.4)
controlCARD-180HSEC-60pinAddon_Edge [mm] "Edge Connector, 0.8mm, 30x2, pad numbers do not match Samtec datasheet"
  rect 0.55x2.8 smd paste-2.5 mask+0: 121(-11.6,2.4) 123(-10.8,2.4) 125(-10,2.4) 127(-9.2,2.4) 129(-8.4,2.4) 131(-7.6,2.4) 133(-6.8,2.4) 135(-6,2.4) 137(-5.2,2.4) 139(-4.4,2.4) 141(-3.6,2.4) 143(-2.8,2.4) 145(-2,2.4) 147(-1.2,2.4) 149(-0.4,2.4) 151(0.4,2.4) 153(1.2,2.4) 155(2,2.4) 157(2.8,2.4) 159(3.6,2.4) 161(4.4,2.4) 163(5.2,2.4) 165(6,2.4) 167(6.8,2.4) 169(7.6,2.4) 171(8.4,2.4) 173(9.2,2.4) 175(10,2.4) 177(10.8,2.4) 179(11.6,2.4)
  rect 0.55x2.8 smd far side paste-2.5 mask+0: 122(-11.6,2.4) 124(-10.8,2.4) 126(-10,2.4) 128(-9.2,2.4) 130(-8.4,2.4) 132(-7.6,2.4) 134(-6.8,2.4) 136(-6,2.4) 138(-5.2,2.4) 140(-4.4,2.4) 142(-3.6,2.4) 144(-2.8,2.4) 146(-2,2.4) 148(-1.2,2.4) 150(-0.4,2.4) 152(0.4,2.4) 154(1.2,2.4) 156(2,2.4) 158(2.8,2.4) 160(3.6,2.4) 162(4.4,2.4) 164(5.2,2.4) 166(6,2.4) 168(6.8,2.4) 170(7.6,2.4) 172(8.4,2.4) 174(9.2,2.4) 176(10,2.4) 178(10.8,2.4) 180(11.6,2.4)
CPF0402 [mm] "TE Connectivity"
  rect 0.5x0.6 smd: 1(-0.5,0) 2(0.5,0)
  silkscreen extent -0.97,-0.53 0.97,0.53, body extent -0.55,-0.27 0.55,0.27, height 0.35